# Altium PCB LT3762_Board.PcbDoc (part 2 of 2)
Units mm, origin at the board's own origin, x right, y up, seen from the top; angles counter-clockwise.
Board outline 150 x 110 mm, 2 copper layers (Top Layer, Bottom Layer), stack 1.571 mm thick; 122 components, 141 nets, 506 pads, 204 vias.
Unrouted connection lines stored in the file: 181.
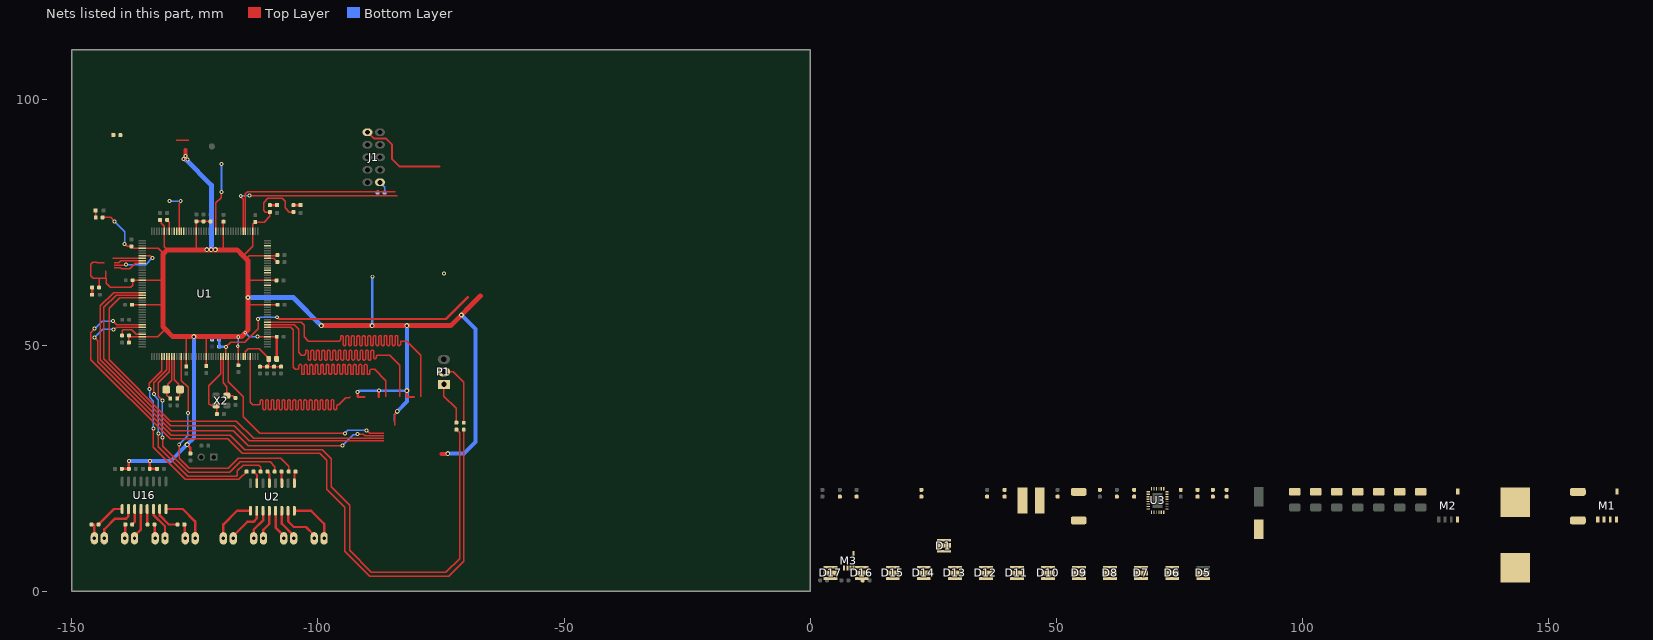
[diagram p2: the nets of this part, all layers, seen from the top]

## Via types
v1: diameter 0.8, hole 0.4, Top Layer to Bottom Layer, tented both sides, 190 vias
v2: diameter 1, hole 0.5, Top Layer to Bottom Layer, tented both sides, 14 vias

## Nets (pads, with @x,y where several pads share a name; then routed paths per layer and width w, separated by ;. In a path a pad name is that pad's centre, name@x,y a point inside that pad or via, vN(x,y) a via of type N, cw(c..) or ccw(c..) an arc to the next point about the centre after c; other vN are vias at no path point) (continued)
LSM_SPI_CS: U1.142 | length 6.3
  Top Layer w0.28: -141.38,65.769 -140.114,65.769 -139.878,65.532 -138.252,65.532 -137.108,66.677 U1.142@-135.686,66.677
LSM_SPI_MISO: U1.140 | length 5.9
  Top Layer w0.3: -141.632,67.677 U1.140@-135.686,67.677
LSM_SPI_MOSI: U1.141 | length 5.9
  Top Layer w0.28: -141.38,66.769 -140.413,66.769 -140.005,67.177 U1.141@-135.686,67.177
LSM_SPI_SCK: U1.139 | length 10.6
  Top Layer w0.28: -141.38,66.269 -139.039,66.269 v1(-138.963,66.345)
  Top Layer w0.3: U1.139@-135.686,68.177 -134.064,68.177 v1(-133.604,67.716)
  Bottom Layer w0.3: v1(-138.963,66.345) -134.976,66.345 v1(-133.604,67.716)
NetC1_1: C1.1 U1.9 X1.2 | length 9.3
  Top Layer w0.3: C1.1@-129.997,39.181 -130.657,39.841 -130.657,40.839 X1.2@-130.813,40.996 -130.531,41.278 -130.531,42.113 -129.711,42.932 U1.9@-129.711,47.702
NetC3_1: C3.1 U1.10 X1.1 | length 9.2
  Top Layer w0.3: U1.10@-129.211,47.702 -129.211,42.994 -128.287,42.07 -128.287,41.27 X1.1@-128.013,40.996 -128.013,39.743 C3.1@-128.575,39.181
NetC6_1: C6.1 U1.29 X2.1 | length 14
  Top Layer w0.3: C6.1@-120.512,36.017 -120.598,36.103 -120.598,37.675 X2.1@-120.683,37.76 -121.784,37.76 -122.149,38.125 -122.149,41.783 -119.711,44.22 U1.29@-119.711,47.702
NetC7_1: C7.1 U1.30 X2.3 | length 10.3
  Top Layer w0.3: U1.30@-119.211,47.702 -119.211,42.326 -118.483,41.597 X2.3@-118.483,39.76 -117.269,39.76 -116.765,39.257 C7.1@-116.738,39.257 ; C7.1@-116.784,39.212 C7.1@-116.738,39.167
NetC36_2: C36.2 C37.2 C38.2 C39.2 M1.5 R12.2 R22.2 U3.14
NetC47_1: C47.1 L1.2 M1.1 M1.2 M1.3 M2.5 U3.16
NetC47_2: C47.2 U3.17
NetC49_1: C49.1 U3.9
NetC49_2: C49.2 R24.1
NetC50_1: C50.1 L2.2 U3.22
NetC50_2: C50.2 U3.23
NetC51_1: C51.1 U3.5
NetD1_A1: D1.A1 D1.A2 M3.5
NetD1_C: D1.C D6.A1 D6.A2
NetD5_A1: D5.A1 D5.A2 D7.C
NetD6_C: D6.C D8.A1 D8.A2
NetD7_A1: D7.A1 D7.A2 D9.C
NetD8_C: D8.C D10.A1 D10.A2
NetD9_A1: D9.A1 D9.A2 D11.C
NetD10_C: D10.C D12.A1 D12.A2
NetD11_A1: D11.A1 D11.A2 D13.C
NetD12_C: D12.C D14.A1 D14.A2
NetD13_A1: D13.A1 D13.A2 D15.C
NetD14_C: D14.C D16.A1 D16.A2
NetD15_A1: D15.A1 D15.A2 D17.C
NetD16_C: D16.C D17.A1 D17.A2
NetJ1_1: J1.1 R37.1 | length 2.5
  Bottom Layer w0.3: J1.1@-87.401,83.083 -87.401,83.018 -86.46,82.077 -86.46,81.111 R37.1@-86.46,80.977 ; R37.1@-86.326,81.111 R37.1@-86.294,81.079
NetL1_1: L1.1 R1.2 U3.19
NetL2_1: L2.1 U3.24
NetLED1_1: LED1.1 R25.2 | length 1.5
  Top Layer w0.5: LED1.1@-145.897,60.249 -145.874,60.273 -145.874,61.698 R25.2@-145.85,61.722
NetLED2_1: LED2.1 R26.2 | length 1.5
  Top Layer w0.5: R26.2@-104.978,78.448 LED2.1@-103.505,78.448
NetLED3_1: LED3.1 R27.2 | length 1.5
  Top Layer w0.5: R27.2@-109.753,78.438 -109.742,78.45 -108.292,78.45 LED3.1@-108.28,78.462
NetLED4_1: LED4.1 R28.2 | length 1.4
  Top Layer w0.3: LED4.1@-145.136,77.394 -145.13,77.388 R28.2@-145.13,75.952
NetM1_4: M1.4 U3.15
NetM2_4: M2.4 U3.18
NetM3_1: M3.1 M3.2 M3.3 R22.1 U3.13
NetM3_4: M3.4 U3.12
NetP4_1: P4.1 U2.15 | length 9.3
  Top Layer w0.5: U2.15@-106.07,16.377 -106.07,14.249 -104.902,13.081 -102.438,13.081 -100.755,11.398 P4.1@-100.755,10.77
NetP4_2: P4.2 U2.16 | length 10.1
  Top Layer w0.5: U2.16@-104.8,16.377 -101.391,16.377 -98.755,13.741 P4.2@-98.755,10.77
NetP7_1: P7.1 U2.13 | length 6.3
  Top Layer w0.5: U2.13@-108.61,16.377 -108.61,12.953 -106.927,11.27 P7.1@-106.927,10.77
NetP7_2: P7.2 U2.14 | length 6.6
  Top Layer w0.5: U2.14@-107.34,16.377 -107.34,13.767 -104.927,11.354 P7.2@-104.927,10.77
NetP8_1: P8.1 U2.11 | length 6.4
  Top Layer w0.5: P8.1@-113.065,10.77 -113.065,12.513 -111.15,14.427 U2.11@-111.15,16.377
NetP8_2: P8.2 U2.12 | length 6.1
  Top Layer w0.5: P8.2@-111.065,10.77 -111.065,12.532 -109.88,13.716 U2.12@-109.88,16.377
NetP9_1: P9.1 U2.9 | length 9.5
  Top Layer w0.5: P9.1@-119.196,10.77 -119.196,13.596 -116.414,16.377 U2.9@-113.69,16.377
NetP9_2: P9.2 U2.10 | length 8.3
  Top Layer w0.5: P9.2@-117.196,10.77 -117.196,11.27 -114.343,14.122 -113.106,14.122 -112.42,14.808 U2.10@-112.42,16.377
NetP10_1: P10.1 R32.1 | length 2.8
  Top Layer w0.5: -145.469,13.589 -145.429,13.549 -145.429,10.835 P10.1@-145.39,10.795
NetP10_2: P10.2 U16.2 | length 9.3
  Top Layer w0.5: P10.2@-143.39,10.795 -143.39,12.592 -141.199,14.783 -138.963,14.783 -138.481,15.265 U16.2@-138.481,16.733
NetP11_1: P11.1 R34.1 | length 2.9
  Top Layer w0.5: P11.1@-139.252,10.795 -139.116,10.931 R34.1@-139.116,13.589
NetP11_2: P11.2 U16.4 | length 6.5
  Top Layer w0.5: P11.2@-137.252,10.795 -137.252,11.295 -135.941,12.606 U16.4@-135.941,16.733
NetP12_1: P12.1 R62.1 | length 2.9
  Top Layer w0.5: R62.1@-133.198,13.589 -133.126,13.517 -133.126,10.866 P12.1@-133.055,10.795
NetP12_2: P12.2 U16.6 | length 6.9
  Top Layer w0.5: U16.6@-133.401,16.733 -133.382,16.713 -133.382,15.551 -131.055,13.224 P12.2@-131.055,10.795
NetP13_1: P13.1 R64.1 | length 2.9
  Top Layer w0.5: R64.1@-127.127,13.589 -127.035,13.497 -127.035,10.887 P13.1@-126.943,10.795
NetP13_2: P13.2 U16.8 | length 10.4
  Top Layer w0.5: U16.8@-130.861,16.733 -127.451,16.733 -124.943,14.224 P13.2@-124.943,10.795
NetR2_1: R2.1 R19.1 U3.7
NetR4_2: R4.2 U1.171 | length 5.5
  Top Layer w0.3: R4.2@-139.779,51.968 -139.725,52.022 -139.725,52.908 -139.497,53.137 -137.82,53.137 -136.86,52.177 U1.171@-135.686,52.177
NetR5_1: R5.1 R17.2 U3.26
NetR8_2: R8.2 U1.120
NetR9_2: R9.2 U2.1 | length 2.5
  Top Layer w0.4: U2.1@-104.8,21.977 -104.8,24.065 R9.2@-104.532,24.333
NetR10_2: R10.2 U2.3 | length 2.4
  Top Layer w0.4: R10.2@-107.377,24.333 -107.359,24.315 -107.359,21.995 U2.3@-107.34,21.977
NetR12_1: R12.1 R20.2 U3.10
NetR16_2: R16.2 U2.5 | length 2.5
  Top Layer w0.4: R16.2@-110.236,24.333 -109.88,23.978 U2.5@-109.88,21.977
NetR21_2: R21.2 U2.7 | length 2.6
  Top Layer w0.4: R21.2@-113.092,24.333 -112.42,23.662 U2.7@-112.42,21.977
NetR29_1: R29.1 U3.3
NetR32_2: R32.2 U16.1 | length 6.1
  Top Layer w0.5: R32.2@-144.577,13.589 -141.433,16.733 U16.1@-139.751,16.733
NetR34_2: R34.2 U16.3 | length 3.4
  Top Layer w0.5: R34.2@-137.716,13.589 -137.211,14.094 U16.3@-137.211,16.733
NetR62_2: R62.2 U16.5 | length 3.1
  Top Layer w0.5: R62.2@-134.671,13.662 U16.5@-134.671,16.733
NetR64_2: R64.2 U16.7 | length 5.7
  Top Layer w0.5: U16.7@-132.131,16.733 -132.112,16.713 -132.112,15.399 -130.302,13.589 R64.2@-128.527,13.589
NetU3_6: U3.6 U3.8
OpenLED: U3.27
Out1: R9.1 U1.13 | length 47.7
  Top Layer w0.3: v1(-128.168,29.845) -128.168,27 -126.162,24.994 -118.212,24.994 -116.154,27.051 -107.569,27.051 -105.932,25.414 R9.1@-105.932,24.333 ; U1.13@-127.711,47.702 -127.711,42.825 -126.365,41.478 -126.365,36.246 v1(-126.39,36.22)
  Bottom Layer w0.3: v1(-128.168,29.845) -126.39,31.623 v1(-126.39,36.22)
Out2: R10.1 U1.8 | length 46.7
  Top Layer w0.3: v1(-131.597,38.786) -132.41,39.599 -132.41,42.418 -130.211,44.617 U1.8@-130.211,47.702 ; v1(-131.547,31.242) -131.547,29.515 -126.187,24.155 -117.907,24.155 -115.773,26.289 -109.703,26.289 -108.777,25.363 R10.1@-108.777,24.333
  Bottom Layer w0.3: v1(-131.597,38.786) -131.572,38.76 -131.572,31.267 v1(-131.547,31.242)
Out3: R16.1 U1.7 | length 45.5
  Top Layer w0.3: v1(-133.248,40.081) -133.344,40.177 -133.344,42.373 -130.711,45.006 U1.7@-130.711,47.702 ; v1(-132.41,32.055) -132.41,29.362 -126.467,23.419 -116.559,23.419 -116.383,23.595 -116.383,24.46 -115.214,25.629 -112.039,25.629 -111.636,25.225 R16.1@-111.636,24.333
  Bottom Layer w0.3: v1(-133.248,40.081) -133.153,39.986 -133.153,39.706 -132.41,38.964 v1(-132.41,32.055)
Out4: R21.1 U1.5 | length 42.1
  Top Layer w0.3: v1(-134.188,41.097) -134.284,41.193 -134.284,42.272 -131.711,44.844 U1.5@-131.711,47.702 ; v1(-133.401,33.122) -133.401,29.286 -126.898,22.784 -116.041,22.784 R21.1@-114.492,24.333
  Bottom Layer w0.3: v1(-134.188,41.097) -134.188,39.421 -133.401,38.633 v1(-133.401,33.122)
PC_RX: P1.1 R35.1 | length 8.8
  Top Layer w0.3: P1.1@-74.399,42.037 -74.399,39.677 -71.882,37.16 R35.1@-71.882,34.265
PC_TX: P1.2 R36.1 | length 13.1
  Top Layer w0.3: P1.2@-74.399,44.577 -72.517,44.577 -70.383,42.443 R36.1@-70.383,34.253
PWM: R23.1 U3.1
RADAR_PWR_EN: U1.106 | length 14.2
  Top Layer w0.3: U1.106@-120.711,73.152 -120.711,78.882 -119.609,79.985 v1(-119.609,81.077)
  Top Layer w0.4: v1(-119.558,86.843) v1@-119.507,86.893
  Bottom Layer w0.4: v1(-119.609,81.077) -119.583,81.102 -119.583,86.817 v1(-119.558,86.843)
RESET#: C13.2 J1.10 R11.2 U1.31 | length 78.8
  Top Layer w0.3: U1.31@-118.711,47.702 -118.711,49.64 v1(-118.694,49.657) -117.754,50.597 -114.91,50.597 -112.141,53.365 v1(-112.141,55.347)
  Top Layer w0.4: J1.10@-89.941,93.243 -89.84,93.243 -88.544,91.948 -86.131,91.948 -84.963,90.78 -84.963,87.909 -83.337,86.284 -75.311,86.284
  Top Layer w0.5: v1(-108.28,55.677) -108.199,55.677 -107.843,55.321 -73.99,55.321 -69.52,59.792
  Bottom Layer w0.3: v1(-112.141,55.347) -112.045,55.347 -111.715,55.677 v1(-108.28,55.677)
  Bottom Layer w0.5: R11.2@-120.08,51.149 -120.075,51.144 -120.075,49.707 C13.2@-120.069,49.701 -120.047,49.679 -118.716,49.679 v1(-118.694,49.657)
RK3588_RX_M2_3V3: U1.94 | length 38.2
  Top Layer w0.3: U1.94@-114.711,73.152 -114.711,80.767 -114.3,81.178 -84.252,81.178
RK3588_TX_M2_3V3: U1.95 | length 39.1
  Top Layer w0.3: v1(-115.672,80.264) -115.672,80.129 -115.211,79.668 U1.95@-115.211,73.152 ; v1(-113.919,80.366) -83.922,80.366
  Bottom Layer w0.3: v1(-115.672,80.264) -115.621,80.315 -113.97,80.315 v1(-113.919,80.366)
RK_PWR_EN: U1.70 | length 0
  Bottom Layer w0.5: v1(-74.371,64.541) v1@-74.358,64.554
RMII_CRS_DV: U1.53 | length 82.7
  Top Layer w0.3: U1.53@-110.236,53.677 -105.569,53.677 -105.029,53.137 -105.029,45.542 -104.572,45.085 -104.318,45.085 -104.168,45.085 ccw(c-104.168,45.385) -103.868,45.385 -103.868,45.824 cw(c-103.591,45.824) -103.314,45.824 -103.314,44.346 ccw(c-103.037,44.346) -102.76,44.346 -102.76,45.824 cw(c-102.483,45.824) -102.206,45.824 -102.206,44.346 ccw(c-101.929,44.346) -101.652,44.346 -101.652,45.824 cw(c-101.375,45.824) -101.098,45.824 -101.098,44.346 ccw(c-100.821,44.346) -100.544,44.346 -100.544,45.824 cw(c-100.267,45.824) -99.99,45.824 -99.99,44.346 ccw(c-99.713,44.346) -99.436,44.346 -99.436,45.824 cw(c-99.159,45.824) -98.882,45.824 -98.882,44.346 ccw(c-98.605,44.346) -98.328,44.346 -98.328,45.824 cw(c-98.051,45.824) -97.774,45.824 -97.774,44.346 ccw(c-97.497,44.346) -97.22,44.346 -97.22,45.824 cw(c-96.943,45.824) -96.666,45.824 -96.666,44.346 ccw(c-96.389,44.346) -96.112,44.346 -96.112,45.824 cw(c-95.835,45.824) -95.558,45.824 -95.558,44.346 ccw(c-95.281,44.346) -95.004,44.346 -95.004,45.824 cw(c-94.727,45.824) -94.45,45.824 -94.45,44.346 ccw(c-94.173,44.346) -93.896,44.346 -93.896,45.824 cw(c-93.619,45.824) -93.342,45.824 -93.342,44.346 ccw(c-93.065,44.346) -92.788,44.346 -92.788,45.824 cw(c-92.511,45.824) -92.234,45.824 -92.234,44.346 ccw(c-91.957,44.346) -91.68,44.346 -91.68,45.824 cw(c-91.403,45.824) -91.126,45.824 -91.126,44.346 ccw(c-90.849,44.346) -90.572,44.346 -90.572,45.824 cw(c-90.295,45.824) -90.018,45.824 -90.018,44.346 ccw(c-89.741,44.346) -89.464,44.346 -89.464,44.785 cw(c-89.164,44.785) -89.164,45.085 -88.621,45.085 -88.493,45.085 -86.182,42.775 -86.182,42.475 ; -86.182,39.525 -86.182,41.224 -86.182,42.545
RMII_nRESET: U1.32 | length 44
  Top Layer w0.3: U1.32@-118.211,47.702 -118.211,42.545 -115.202,39.535 -115.202,35.496 -111.811,32.106 v1(-94.539,32.106) ; v1(-90.119,32.69) -89.5,32.07 -86.604,32.07
  Bottom Layer w0.3: v1(-94.539,32.106) -93.955,32.69 v1(-90.119,32.69)
RMII_REF_CLK: U1.41 | length 80.5
  Top Layer w0.3: U1.41@-113.711,47.702 -113.711,38.375 -113.233,37.897 -112.903,37.897 -112.019,37.897 ccw(c-112.019,38.197) -111.719,38.197 -111.719,38.636 cw(c-111.442,38.636) -111.165,38.636 -111.165,37.158 ccw(c-110.888,37.158) -110.611,37.158 -110.611,38.636 cw(c-110.334,38.636) -110.057,38.636 -110.057,37.158 ccw(c-109.78,37.158) -109.503,37.158 -109.503,38.636 cw(c-109.226,38.636) -108.949,38.636 -108.949,37.158 ccw(c-108.672,37.158) -108.395,37.158 -108.395,38.636 cw(c-108.118,38.636) -107.841,38.636 -107.841,37.158 ccw(c-107.564,37.158) -107.287,37.158 -107.287,38.636 cw(c-107.01,38.636) -106.733,38.636 -106.733,37.158 ccw(c-106.456,37.158) -106.179,37.158 -106.179,38.636 cw(c-105.902,38.636) -105.625,38.636 -105.625,37.158 ccw(c-105.348,37.158) -105.071,37.158 -105.071,38.636 cw(c-104.794,38.636) -104.517,38.636 -104.517,37.158 ccw(c-104.24,37.158) -103.963,37.158 -103.963,38.636 cw(c-103.686,38.636) -103.409,38.636 -103.409,37.158 ccw(c-103.132,37.158) -102.855,37.158 -102.855,38.636 cw(c-102.578,38.636) -102.301,38.636 -102.301,37.158 ccw(c-102.024,37.158) -101.747,37.158 -101.747,38.636 cw(c-101.47,38.636) -101.193,38.636 -101.193,37.158 ccw(c-100.916,37.158) -100.639,37.158 -100.639,38.636 cw(c-100.362,38.636) -100.085,38.636 -100.085,37.158 ccw(c-99.808,37.158) -99.531,37.158 -99.531,38.636 cw(c-99.254,38.636) -98.977,38.636 -98.977,37.158 ccw(c-98.7,37.158) -98.423,37.158 -98.423,38.636 cw(c-98.146,38.636) -97.869,38.636 -97.869,37.158 ccw(c-97.592,37.158) -97.315,37.158 -97.315,38.636 cw(c-97.038,38.636) -96.761,38.636 -96.761,37.158 ccw(c-96.484,37.158) -96.207,37.158 -96.207,37.597 cw(c-95.907,37.597) -95.907,37.897 -95.757,37.897 -94.319,39.335 -93.572,39.335 -93.396,39.511
RMII_RXD0: U1.54 | length 85.3
  Top Layer w0.3: U1.54@-110.236,54.177 -104.826,54.177 -103.937,53.288 -103.937,48.539 -103.378,47.981 -102.972,47.981 -102.822,47.981 ccw(c-102.822,48.281) -102.522,48.281 -102.522,48.72 cw(c-102.245,48.72) -101.968,48.72 -101.968,47.242 ccw(c-101.691,47.242) -101.414,47.242 -101.414,48.72 cw(c-101.137,48.72) -100.86,48.72 -100.86,47.242 ccw(c-100.583,47.242) -100.306,47.242 -100.306,48.72 cw(c-100.029,48.72) -99.752,48.72 -99.752,47.242 ccw(c-99.475,47.242) -99.198,47.242 -99.198,48.72 cw(c-98.921,48.72) -98.644,48.72 -98.644,47.242 ccw(c-98.367,47.242) -98.09,47.242 -98.09,48.72 cw(c-97.813,48.72) -97.536,48.72 -97.536,47.242 ccw(c-97.259,47.242) -96.982,47.242 -96.982,48.72 cw(c-96.705,48.72) -96.428,48.72 -96.428,47.242 ccw(c-96.151,47.242) -95.874,47.242 -95.874,48.72 cw(c-95.597,48.72) -95.32,48.72 -95.32,47.242 ccw(c-95.043,47.242) -94.766,47.242 -94.766,48.72 cw(c-94.489,48.72) -94.212,48.72 -94.212,47.242 ccw(c-93.935,47.242) -93.658,47.242 -93.658,48.72 cw(c-93.381,48.72) -93.104,48.72 -93.104,47.242 ccw(c-92.827,47.242) -92.55,47.242 -92.55,48.72 cw(c-92.273,48.72) -91.996,48.72 -91.996,47.242 ccw(c-91.719,47.242) -91.442,47.242 -91.442,48.72 cw(c-91.165,48.72) -90.888,48.72 -90.888,47.242 ccw(c-90.611,47.242) -90.334,47.242 -90.334,48.72 cw(c-90.057,48.72) -89.78,48.72 -89.78,47.242 ccw(c-89.503,47.242) -89.226,47.242 -89.226,48.72 cw(c-88.949,48.72) -88.672,48.72 -88.672,47.519 ccw(c-88.395,47.519) -88.118,47.519 -88.118,47.681 cw(c-87.818,47.681) -87.818,47.981 -87.254,47.981 -86.69,47.981 -85.395,47.981 -83.337,45.923 -83.337,39.525
RMII_RXD1: U1.55 | length 82.9
  Top Layer w0.3: U1.55@-110.236,54.677 -103.429,54.677 -102.768,54.016 -102.768,51.689 -101.93,50.851 -95.86,50.851 -95.71,50.851 ccw(c-95.71,51.151) -95.41,51.151 -95.41,51.666 cw(c-95.133,51.666) -94.856,51.666 -94.856,50.188 ccw(c-94.579,50.188) -94.302,50.188 -94.302,51.666 cw(c-94.025,51.666) -93.748,51.666 -93.748,50.188 ccw(c-93.471,50.188) -93.194,50.188 -93.194,51.666 cw(c-92.917,51.666) -92.64,51.666 -92.64,50.188 ccw(c-92.363,50.188) -92.086,50.188 -92.086,51.666 cw(c-91.809,51.666) -91.532,51.666 -91.532,50.188 ccw(c-91.255,50.188) -90.978,50.188 -90.978,51.666 cw(c-90.701,51.666) -90.424,51.666 -90.424,50.188 ccw(c-90.147,50.188) -89.87,50.188 -89.87,51.666 cw(c-89.593,51.666) -89.316,51.666 -89.316,50.188 ccw(c-89.039,50.188) -88.762,50.188 -88.762,51.666 cw(c-88.485,51.666) -88.208,51.666 -88.208,50.188 ccw(c-87.931,50.188) -87.654,50.188 -87.654,51.666 cw(c-87.377,51.666) -87.1,51.666 -87.1,50.188 ccw(c-86.823,50.188) -86.546,50.188 -86.546,51.666 cw(c-86.269,51.666) -85.992,51.666 -85.992,50.188 ccw(c-85.715,50.188) -85.438,50.188 -85.438,51.666 cw(c-85.161,51.666) -84.884,51.666 -84.884,50.188 ccw(c-84.607,50.188) -84.33,50.188 -84.33,51.666 cw(c-84.053,51.666) -83.776,51.666 -83.776,50.188 ccw(c-83.499,50.188) -83.222,50.188 -83.222,50.551 cw(c-82.922,50.551) -82.922,50.851 -82.093,50.851 -81.991,50.851 -79.07,47.93 -79.07,39.525
RMII_TX_EN: U1.154 | length 86.5
  Top Layer w0.3: U1.154@-135.686,60.677 -141.507,60.677 -144.196,57.988 -144.196,47.015 -129.794,32.614 -117.17,32.614 -114.173,29.616 -95.072,29.616 v1(-95.047,29.591) ; v1(-91.948,31.928) -90.775,31.928 -90.418,31.57 -86.604,31.57
  Bottom Layer w0.3: v1(-95.047,29.591) -92.798,31.84 -92.036,31.84 v1(-91.948,31.928)
RMII_TXD0: U1.156 | length 80.5
  Top Layer w0.3: U1.156@-135.686,59.677 -140.221,59.677 -142.418,57.48 -142.418,47.015 -129.972,34.569 -116.554,34.569 -113.055,31.07 -86.604,31.07
RMII_TXD1: U1.155 | length 83
  Top Layer w0.3: U1.155@-135.686,60.177 -140.966,60.177 -143.485,57.658 -143.485,47.244 -129.857,33.617 -116.965,33.617 -113.919,30.57 -86.604,30.57
ShortLED: U3.28
SPI1_CLK_M2_3V3: U1.75
SPI1_CS0_M2_3V3: U1.86
SPI1_MISO_M2_3V3: U1.76
SPI1_MOSI_M2_3V3: U1.77
UART_RX: R36.2 U1.167 | length 147.8
  Top Layer w0.3: v1(-145.364,53.365) -146.152,52.578 -146.152,47.092 -130.023,30.963 -118.364,30.963 -115.418,28.016 -99.619,28.016 -98.196,26.594 -98.196,20.752 -94.526,17.082 -94.526,8.141 -89.459,3.073 -73.457,3.073 -70.383,6.147 R36.2@-70.383,32.853 ; v1(-141.605,54.889) -140.892,54.177 U1.167@-135.686,54.177
  Bottom Layer w0.3: v1(-145.364,53.365) -143.84,54.889 v1(-141.605,54.889)
UART_TX: R35.2 U1.168 | length 143.1
  Top Layer w0.3: v1(-145.339,51.587) -144.696,50.944 -144.696,46.601 -129.819,31.725 -117.856,31.725 -114.859,28.727 -99.136,28.727 -97.307,26.899 -97.307,21.26 -93.51,17.462 -93.51,8.319 -89.129,3.937 -73.99,3.937 -71.247,6.68 -71.247,32.23 R35.2@-71.882,32.865 ; v1(-141.503,53.213) -141.368,53.213 -140.904,53.677 U1.168@-135.686,53.677
  Bottom Layer w0.3: v1(-145.339,51.587) -143.713,53.213 v1(-141.503,53.213)
USB_FS1_D_N: U1.122
USB_FS1_D_P: U1.123
USB_FS1_ID: U1.121 | length 8.5
  Top Layer w0.3: U1.121@-128.211,73.152 -128.211,78.765 -127.864,79.113 v1(-127.864,79.248)
  Bottom Layer w0.3: v1(-130.15,79.248) v1(-127.864,79.248)
USB_PwrSwitchON: U1.119
VBUS_FS1: R8.1 | length 0.5
  Top Layer w0.4: R8.1@-141.818,92.949 R8.1@-141.529,92.659 R8.1@-141.476,92.606
VCAP1: C12.2 U1.81 | length 2.3
  Top Layer w0.3: U1.81@-110.236,67.677 -109.017,67.677 C12.2@-108.218,66.878
VCAP2: C2.1 U1.125 | length 2.5
  Top Layer w0.3: C2.1@-130.632,75.463 -130.632,75.436 -130.211,75.016 U1.125@-130.211,73.152
VDD_MCU: C4.2 C5.2 C14.1 C15.1 C16.1 C17.1 C18.1 C19.1 C20.1 C21.1 C22.1 C23.1 C24.1 C25.1 C26.1 C27.1 C28.1 FB1.1 R4.1 R11.1 R25.1 R26.1 R27.1 R28.1 R31.2 R33.2 R37.2 R40.1 R61.2 R63.2 U1.6 U1.15 U1.23 U1.36 U1.49 U1.62 U1.72 U1.82 U1.91 U1.103 U1.114 U1.127 U1.136 U1.149 U1.159 U1.172 | length 427.8
  Top Layer w0.3: R25.1@-144.45,61.722 -144.45,63.5 -144.323,63.627 ; R28.1@-143.724,75.946 -142.113,75.946 v1(-141.326,75.159) ; -143.405,66.769 -143.415,66.779 -144.844,66.779 -144.907,66.842 -145.731,66.842 -146.152,66.421 -146.152,64.135 -145.644,63.627 -144.323,63.627 ; -143.142,65.007 -143.132,64.997 -143.132,63.757 -143.002,63.627 ; v1(-139.243,70.587) -138.735,70.079 C26.1@-137.897,70.079 -137.87,70.079 -137.468,69.677 U1.136@-135.686,69.677 -132.415,69.677 -131.47,68.732 -131.47,68.504 ; C24.1@-138.379,50.521 R4.1@-138.379,51.968 -138.352,51.968 -138.06,51.677 U1.172@-135.686,51.677 -132.575,51.677 -131.115,53.137 -131.115,53.391 ; C23.1@-138.009,58.177 U1.159@-135.686,58.177 -131.561,58.177 -131.47,58.268 ; C25.1@-137.628,63.195 C25.1@-137.628,63.177 ; C27.1@-132.08,75.463 -131.861,75.244 -131.861,74.812 -131.211,74.163 U1.127@-131.211,73.152 -131.211,69.972 -130.607,69.367 ; -131.47,63.297 -131.591,63.177 U1.149@-135.686,63.177 C25.1@-137.628,63.177 ; -128.727,91.592 -128.718,91.583 -126.887,91.583 -126.878,91.574 -126.228,91.574 ; C28.1@-126.746,45.669 -126.711,45.704 U1.15@-126.711,47.702 -126.711,51.597 -126.568,51.74 ; -124.612,69.367 -124.711,69.466 U1.114@-124.711,73.152 -124.711,75.136 C17.1@-124.689,75.159 -124.681,75.151 -121.8,75.151 C5.2@-121.793,75.144 ; -122.733,51.74 -122.711,51.718 U1.23@-122.711,47.702 -122.711,45.789 C19.1@-122.682,45.76 ; -119.278,69.367 -119.211,69.434 U1.103@-119.211,73.152 -119.211,75.048 C18.1@-119.177,75.082 ; v1(-116.281,49.784) -116.211,49.714 -116.211,45.983 C14.1@-116.154,45.926 ; -115.126,68.085 -115.126,68.186 -113.211,70.1 U1.91@-113.211,73.152 -113.211,74.52 C16.1@-112.725,75.006 -110.922,75.006 -109.753,76.175 R27.1@-109.753,77.038 -110.693,77.038 -111.049,77.394 -111.049,78.961 -110.203,79.807 -107.239,79.807 -106.655,79.223 -106.655,77.876 -105.826,77.048 R26.1@-104.978,77.048 ; -114.579,67.539 -113.941,68.177 U1.82@-110.236,68.177 -108.342,68.177 C22.1@-108.218,68.301 ; -114.224,58.293 -114.107,58.177 U1.62@-110.236,58.177 -108.208,58.177 C21.1@-108.167,58.217 ; -114.224,63.246 -114.154,63.177 U1.72@-110.236,63.177 -108.403,63.177 C15.1@-108.396,63.17 ; v1(-112.293,51.765) -112.205,51.677 U1.49@-110.236,51.677 -108.394,51.677 C20.1@-108.375,51.695 ; -84.404,33.77 -84.404,36.068 v2(-83.896,36.576) ; -144.323,63.627 -143.002,63.627 ; -143.002,63.627 -143.002,62.611 -142.164,61.773 -137.998,61.773 -137.628,62.143 C25.1@-137.628,63.177
  Top Layer w0.4: -91.948,39.511 -90.5,39.511 ; -81.915,39.525 -80.493,39.525
  Top Layer w0.5: R31.2@-139.824,24.892 R33.2@-138.393,24.892 -138.386,24.899 -138.386,26.485 v1(-138.379,26.492) ; v1(-134.13,26.499) -134.13,24.91 R61.2@-134.149,24.892 R63.2@-132.69,24.892 ; v2(-126.568,29.82) -126.568,29.815 -125.908,29.155 R40.1@-125.908,28.005 ; FB1.1@-108.395,47.219 -108.375,47.238 -108.375,51.695 C20.1@-108.356,51.714 ; -91.948,39.511 -91.935,39.524 -91.935,40.475 v1(-91.923,40.488) ; v1@-88.93,63.911 v1(-88.925,63.906) ; -87.605,39.525 v1(-87.605,40.767) ; -81.915,39.525 v2(-81.915,40.792)
  Top Layer w0.8: v1@-126.936,87.795 -126.936,89.637 ; -74.93,27.915 -73.711,27.915 v2(-73.635,27.991)
  Top Layer w1: v2(-99.289,53.975) v2(-81.915,53.975) -73.025,53.975 -67.005,59.995 ; -131.47,53.746 -131.47,58.268 -131.47,63.297 -131.47,68.504 -130.607,69.367 -124.612,69.367 -119.278,69.367 -116.408,69.367 -115.126,68.085 -114.579,67.539 -114.224,67.183 -114.224,63.246 -114.224,58.293 -114.224,53.035 -115.519,51.74 -122.733,51.74 v2(-125.197,51.74) -126.568,51.74 -129.464,51.74 -131.115,53.391 -131.47,53.746
  Bottom Layer w0.3: v1(-141.326,75.159) -139.243,73.076 v1(-139.243,70.587) ; v2(-125.197,51.74) -122.071,51.74 R11.1@-121.48,51.149 ; v1(-116.281,49.784) -116.23,49.835 -116.23,51.638 v1(-116.18,51.689) ; v1(-114.757,52.527) -113.995,51.765 v1(-112.293,51.765) ; -84.455,34.558 -84.455,35.828 -83.896,36.387 v2(-83.896,36.576)
  Bottom Layer w0.5: v1(-91.923,40.488) -91.841,40.488 -91.537,40.792 v2(-81.915,40.792) ; v2(-88.976,53.975) -88.951,54 -88.951,63.881 v1(-88.925,63.906) ; v2@-81.908,54.019 -81.908,53.807 v2@-81.902,53.801
  Bottom Layer w0.8: v1(-138.379,26.492) -134.137,26.492 v1(-134.13,26.499) -134.123,26.492 -129.896,26.492 v2(-126.568,29.82) -125.197,31.191 v2(-125.197,51.74) ; v2(-83.896,36.576) -81.902,38.57 v2@-81.902,40.792 ; v2(-81.915,40.792) v2@-81.902,40.792 ; v2@-81.902,53.801 v2@-81.902,40.792 ; v2(-73.635,27.991) -70.307,27.991 -67.996,30.302 -67.996,53.264 v2(-70.866,56.134)
  Bottom Layer w1: -126.873,87.732 -121.641,82.499 v2@-121.641,69.393 ; v2(-114.198,59.69) -105.004,59.69 v2(-99.289,53.975)
  other v1: -126.441,87.757 -127.279,87.782 -126.873,88.417
  other v2: -122.58,69.393 -121.691,69.393 -120.828,69.393
VDDA: C8.2 C9.2 C10.2 C11.2 FB1.2 U1.38 U1.39 | length 12.9
  Top Layer w0.3: U1.38@-115.211,47.702 U1.39@-114.711,47.702 -114.711,48.712 -114.122,49.301 -111.923,49.301 -109.995,47.373 FB1.2@-109.995,47.219 -109.988,47.212 -109.988,45.639 -109.982,45.633 C11.2@-108.915,45.633 C10.2@-107.493,45.633 ; C8.2@-111.76,45.633 C9.2@-110.338,45.633
Vin_Pr: C29.1 C33.2 C34.2 C35.2 R1.1 R2.2 R5.2 R30.1 U3.20 U3.21
pads on no net: J1.7 U1.11 U1.12 U1.16 U1.17 U1.18 U1.19 U1.24 U1.25 U1.26 U1.27 U1.28 U1.34 U1.35 U1.40 U1.43 U1.44 U1.45 U1.46 U1.47 U1.50 U1.51 U1.52 U1.56 U1.57 U1.58 U1.59 U1.60 U1.63 U1.64 U1.65 U1.73 U1.78 U1.79 U1.80 U1.83 U1.96 U1.97 U1.98 U1.99 U1.100 U1.101 U1.104 U1.105 U1.107 U1.108 U1.109 U1.110 U1.111 U1.112 U1.115 U1.116 U1.117 U1.118 U1.130 U1.131 U1.132 U1.134 U1.143 U1.144 U1.145 U1.146 U1.147 U1.150 U1.151 U1.152 U1.157 U1.160 U1.162 U1.163 U1.164 U1.165 U1.169 U1.170 U1.173 U1.174 U1.175 U1.176
copper on no net: | length 495.4
  Top Layer w0.28: -144.907,65.442 -144.875,65.442 -144.548,65.769 -143.405,65.769 -143.405,66.269 ; -142.642,67.531 -142.142,67.531 -142.142,68.728 v1(-142.138,68.732)
  Top Layer w0.3: -127.089,95.326 -127.076,95.326 -125.933,95.326 -125.578,94.971 -125.578,93.624 ; -126.228,93.624 -126.228,92.599 -125.928,92.599 -125.578,92.249 -125.578,91.574 -125.568,91.564 -125.568,89.868 -125.336,89.637 ; -93.396,38.111 -91.948,38.111 -91.948,36.093 -88.425,32.57 -86.604,32.57 ; -90.5,38.111 -89.052,38.111 ; -89.988,7.952 -89.988,7.793 -87.3,5.105 -77.241,5.105 -71.933,10.414 -71.933,28.854 -73.101,30.023 -79.553,30.023 -81.1,31.57 -82.704,31.57 ; -89.938,29.515 -86.944,29.515 -86.589,29.87 -85.904,29.87 ; -89.027,38.111 -89.027,37.846 -85.904,34.723 -85.904,33.77 ; -87.813,19.202 -87.813,27.097 -87.19,27.719 -85.643,27.719 -84.904,28.458 -84.904,29.595 -84.904,29.87 ; -86.543,21.742 -86.543,17.927 -86.893,17.577 -88.722,17.577 -89.332,18.186 -89.332,20.502 -88.313,21.521 -88.313,27.304 -87.397,28.219 -85.85,28.219 -85.404,28.665 -85.404,29.87 ; -86.247,26.492 -86.247,26.465 -85.954,26.172 -85.954,25.019 ; -86.182,38.125 -87.605,38.125 -87.605,37.49 -85.404,35.29 -85.404,33.77 ; -85.273,19.202 -85.273,19.102 -83.425,17.255 -78.812,17.255 -76.64,19.427 -76.64,22.208 -76.993,22.561 -77.959,23.526 -78.105,23.673 -83.058,23.673 -83.904,24.519 -83.904,29.87 ; -84.904,33.77 -84.904,37.981 -84.76,38.125 ; -84.404,29.87 -84.404,24.312 -83.265,23.173 -78.312,23.173 -77.493,22.354 -77.14,22 -77.14,19.634 -79.019,17.755 -81.077,17.755 -81.463,18.141 -81.463,21.742 ; -83.904,33.77 -83.904,34.739 -81.915,36.728 -81.915,38.125 -83.337,38.125 ; -83.404,29.87 -83.404,29.074 v1(-82.829,28.499) ; -83.404,33.77 -83.404,34.401 -80.493,37.313 -80.493,38.125 -79.07,38.125 ; -82.704,30.57 -81.828,30.57 -80.405,29.148 -80.405,28.194 ; -82.704,31.07 -81.362,31.07 -79.807,29.515 -73.457,29.515 -72.542,28.6 -72.542,12.148 -76.738,7.952 ; -82.704,32.07 -80.508,32.07 -79.096,30.658 -76.403,30.658 -75.98,31.081 -75.98,32.002 -75.927,32.055 -74.32,32.055 -74.219,32.156 ; -82.704,32.57 -80.46,32.57 -78.801,34.229 -77.953,34.229 -77.871,34.311 -77.871,36.088 -77.814,36.144 ; -82.704,33.07 -81.255,33.07 v1(-80.137,34.188)
  Top Layer w0.4: -131.064,108.052 -129.553,108.052 -129.553,106.642 -129.184,106.274 -129.184,105.359 -129.675,104.869 -130.488,104.869 -130.518,104.838
  Top Layer w0.5: v1(-144.932,64.516) -144.92,64.529 -144.92,65.429 -144.907,65.442 ; -139.61,107.747 -137.9,109.456 -128.887,109.456 -126.809,107.379 -126.238,107.379 ; -138.151,100.66 -134.163,96.672 -128.003,96.672 -127.063,97.612 ; -135.89,103.175 -135.89,101.448 -135.815,101.372 -135.815,100.509 -133.325,98.019 -129.943,98.019 -129.905,97.98 ; -135.89,104.851 -135.89,106.528 ; -134.29,101.448 -134.29,104.851 -133.198,104.851 -132.26,105.788 -130.518,105.788 ; v1(-132.512,100.66) -132.486,100.686 -132.486,101.765 -132.461,101.791 ; -132.461,103.391 -132.361,103.391 -131.863,103.888 -130.518,103.888 ; v1(-129.819,95.326) -128.689,95.326 ; -125.336,89.637 -125.311,89.662 -124.155,89.662 v1(-124.13,89.687) ; v1(-92.431,29.489) -92.418,29.502 -91.351,29.502 -91.338,29.515 ; -90.173,25.019 -90.173,27.297 -89.835,27.635 -89.887,27.687 -89.887,29.463 -89.938,29.515 ; -85.954,25.019 v1(-85.954,23.793) -84.003,21.842 -84.003,21.742 ; v1(-84.785,41.656) -84.772,41.643 -84.772,39.538 -84.76,39.525 ; v2@-82.053,25.716 -82.053,27.026 -81.99,27.089 -80.469,27.089 -80.405,27.153 ; v2@-82.004,25.667 -81.026,24.689 -76.71,24.689 -76.43,24.968 -76.43,26.391 ; -80.405,28.194 -80.405,27.153 ; -80.281,25.606 -80.405,25.73 -80.405,27.153 ; v1(-79.045,32.029) -79.032,32.042 -77.94,32.042 -77.927,32.055 ; v1(-78.105,28.575) -79.005,28.575 -79.005,27.153 ; v1(-78.029,27.153) -79.005,27.153 ; v1(-77.978,25.756) -77.991,25.743 -78.992,25.743 -79.005,25.73 -79.005,27.153 ; -77.851,99.035 -77.851,102.286 ; -76.53,26.391 -76.53,27.915 ; -76.414,36.144 -75.927,35.657 -75.927,35.281 ; -75.362,99.035 -75.362,102.235 -75.311,102.286 ; -75.03,24.968 v1(-73.965,24.968) ; -75.03,26.391 -75.017,26.378 -73.977,26.378 v1(-73.965,26.365) ; v1(-74.778,35.331) -74.828,35.281 -75.927,35.281 ; -74.219,33.556 -74.874,34.212 -75.884,34.212 -75.927,34.255 -75.927,35.281
  Top Layer w0.6: -90.173,25.019 -91.084,24.108 -91.084,18.694 -88.595,16.205 -78.359,16.205 -75.463,19.101 -75.463,22.911 -76.43,23.878 -76.43,24.968
  Top Layer w0.8: -127.089,95.326 -127.089,96.818 ; -127.076,95.174 -127.076,95.326 ; -123.952,96.926 -123.908,96.926 -123.8,96.818 -123.8,95.428
  Top Layer w1: -17.475,106.68 -17.475,106.655 -16.231,105.41
  Top Layer w2: -8.001,103.784 -7.517,103.301 -7.517,99.416
  Bottom Layer w0.3: -87.813,19.202 -87.813,15.397 -87.518,15.103 -86.39,15.103 ; -86.543,21.742 -86.543,17.153 -86.393,17.003 -86.39,17.003 ; -86.39,16.053 -85.395,16.053 -85.141,15.799 -85.141,13.792 v1(-85.115,13.767) ; -85.273,19.202 -83.79,17.72 -83.79,17.003 ; -83.79,15.103 -82.332,15.103 -81.463,15.972 -81.463,21.742 ; -83.79,16.053 -82.675,16.053 -82.499,16.229 -82.499,18.377 -82.522,18.4 -82.522,18.992 -82.733,19.202 ; v1(-82.829,28.499) -82.35,28.979 -81.975,28.979 -81.805,29.148 ; -82.677,7.922 -82.677,7.137 -81.813,6.274 -78.065,6.274 -76.738,7.601 -76.738,7.952 ; -81.636,32.69 -81.636,34.112 -81.597,34.15 -80.175,34.15 v1(-80.137,34.188)
  Bottom Layer w0.4: -87.448,7.952 -87.432,7.937 -85.664,7.937 -85.649,7.922 ; -81.128,7.922 -81.112,7.937 -79.293,7.937 -79.278,7.952
  Bottom Layer w0.5: v1(-132.512,100.66) -132.512,102.692 -130.404,104.8 -126.648,104.8 -126.492,104.644 v1(-126.492,104.496) ; -82.733,19.202 -84.003,20.472 -84.003,21.742 -84.003,21.842 -82.017,23.829 v2(-82.017,25.654) ; -77.531,106.489 -77.531,106.174 -77.851,105.854 -77.851,102.286 -77.718,102.152 -77.718,99.879 -77.584,99.746 -77.464,99.625 -77.464,97.482 -77.445,97.463 ; -77.445,98.99 -77.445,99.746 ; -76.581,104.369 -76.581,108.61 ; -76.175,91.863 -76.155,91.844 -76.155,89.833 ; -76.175,97.463 -76.155,97.482 -76.155,99.575 -75.984,99.746 -75.984,99.846 -75.311,100.519 -75.311,102.286 -75.311,105.854 -75.631,106.174 -75.631,106.489 ; -76.175,98.99 -76.175,99.746
  Bottom Layer w0.8: -7.928,94.336 -7.528,93.936 -7.528,92.439 -7.112,92.023
  Bottom Layer w1: -8.004,94.412 -7.928,94.336
  other v1: -85.446,31.013 -84.252,31.064 -84.988,31.699 -84.049,31.979 -85.344,32.512 -10.287,93.523 -9.474,93.548 -10.236,94.361 -9.449,94.361 -10.262,95.098 -120.472,100.152 -122.047,100.94 -121.26,100.94 -120.498,100.94 -128.143,102.26 -127.356,102.26 -126.543,102.26 -130.531,102.286 -129.743,102.286 -128.93,102.286 -119.837,102.565 -127.94,103.022 -119.863,103.353 -125.73,104.496 -126.492,105.105 -125.73,105.105

## Polygon pours and split planes (outlines as drawn)
GND on Bottom Layer "GND_L02_P000" (solid, remove dead copper, pour order 0): -149.996,0.006 -149.996,110.006 0.004,110.006 0.004,0.006
GND on Top Layer "GND_L01_P001" (solid, remove dead copper, pour order 1): -149.996,0.006 -149.996,110.006 0.004,110.006 0.004,0.006

## Keep-outs
Keep-Out Layer:
  the board outline again, w0.2

## Other copper
Top Layer:
  rectangle: -122.352,98.831 -119.964,101.371
  rectangle: -4.877,96.342 -3.15,100.355
  rectangle: -127.356,93.294 -126.721,95.301
  rectangle: -128.346,101.905 -119.405,103.759
  rectangle: -131.013,99.949 -125.4,102.997
  rectangle net VDD_MCU: -127.711,87.351 -125.959,88.544
  rectangle net VDD_MCU: -127.432,89.383 -126.365,91.694
  rectangle: -111.176,104.14 -103.911,108.56
  rectangle: -130.835,96.418 -123.292,98.806
  rectangle: -124.612,105.131 -13.056,109.474
  rectangle: -128.346,105.842 -124.13,108.915
  rectangle: -126.898,104.089 -125.298,105.512
  rectangle: -128.27,104.546 -126.695,105.105
  rectangle: -16.612,97.155 -12.649,109.474
  pour cut-out: -95.885,19.101 -95.885,0.006 -149.987,0.006 -149.987,19.101
Bottom Layer:
  rectangle: -10.668,93.116 -7.976,95.529
  rectangle net VDD_MCU: -127.711,87.351 -125.959,88.798
  rectangle net VDD_MCU: -122.987,68.859 -120.371,69.85
  rectangle: -126.898,104.089 -125.298,105.512
  pour cut-out: -95.897,19.142 -95.897,0.047 -149.999,0.047 -149.999,19.142
  region: -125.374,104.902 -121.844,101.371 -120.066,101.371 -120.066,99.136 -122.072,99.136 -122.377,99.466 -126.898,103.988 -126.898,104.089

## Text inside footprints (layer, text, board x,y; h text height)
J1: Top Overlay "2" at -89.408,80.112 h1 r90; Top Overlay "1" at -86.741,80.391 h1 r90